# Altium PCB CATS-Vega.PcbDoc (part 1 of 2)
Units mm, origin at the board's own origin, x right, y up, seen from the top; angles counter-clockwise.
Board outline 100 x 33 mm, 6 copper layers (Top Layer, Mid Layer 1 (GND), Mid Layer 2 (Sig), Mid Layer 3 (PWR), Mid Layer 4 (GND), Bottom Layer), stack 1.538 mm thick; 177 components, 115 nets, 630 pads, 374 vias.
Unrouted connection lines stored in the file: 41.
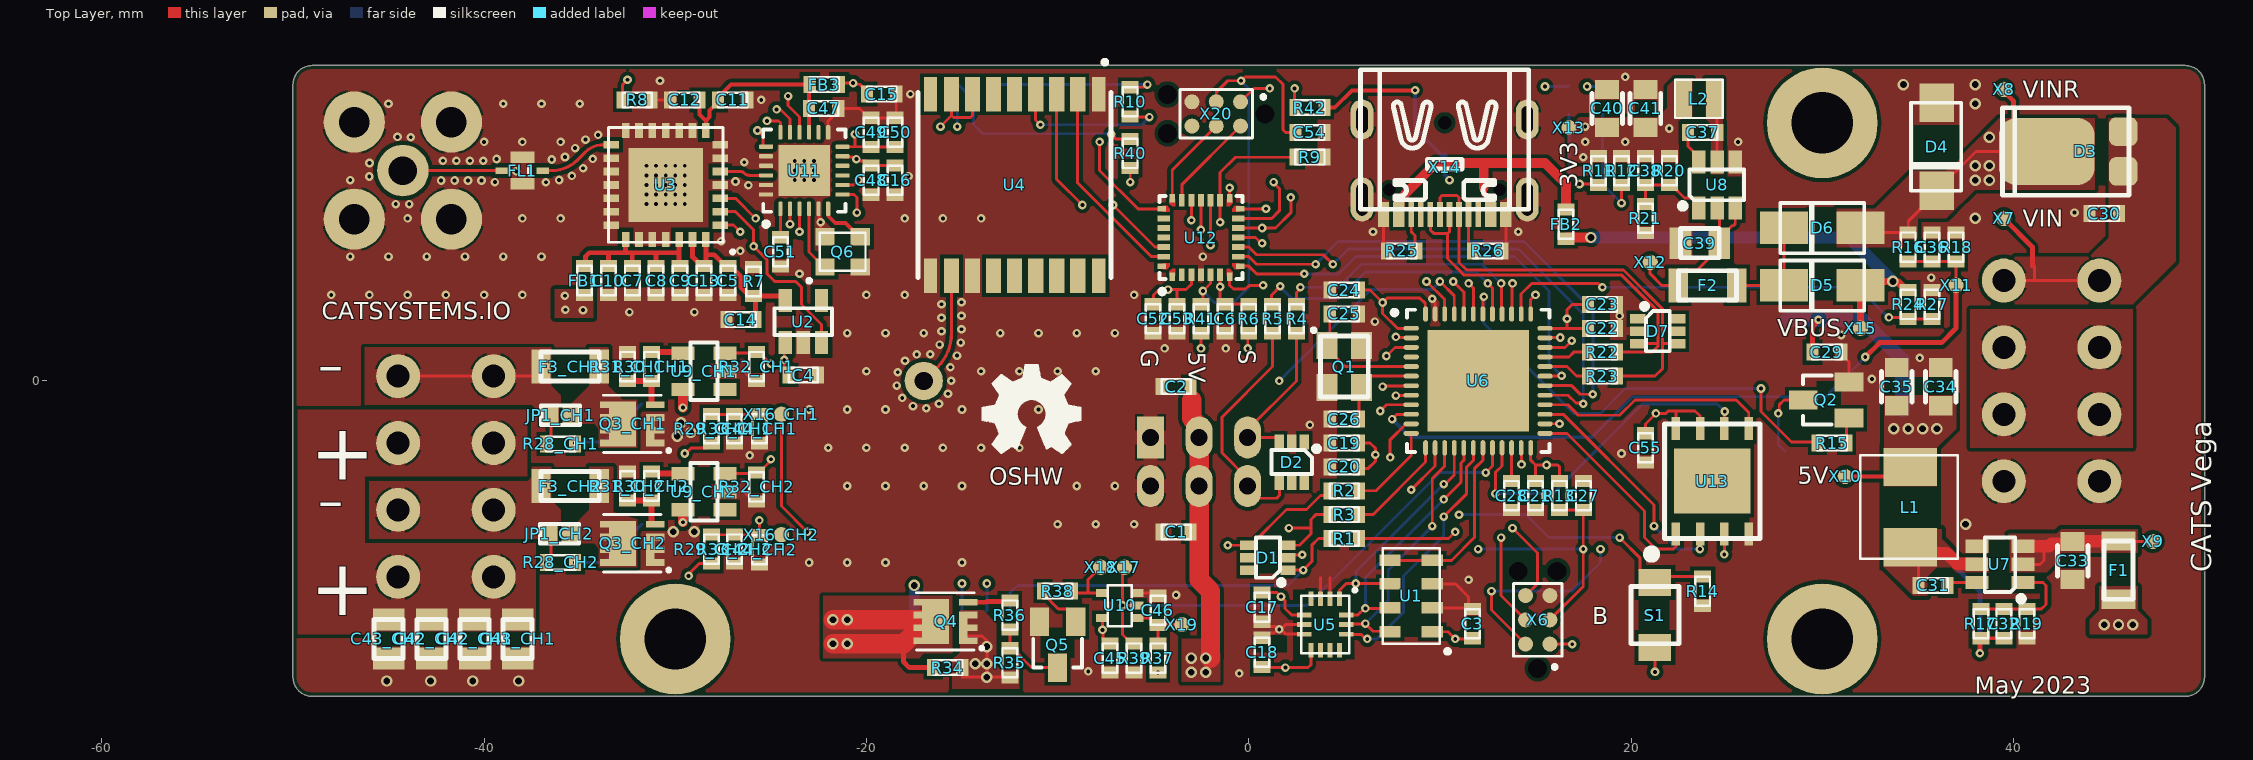
[diagram p0: Top Layer view]
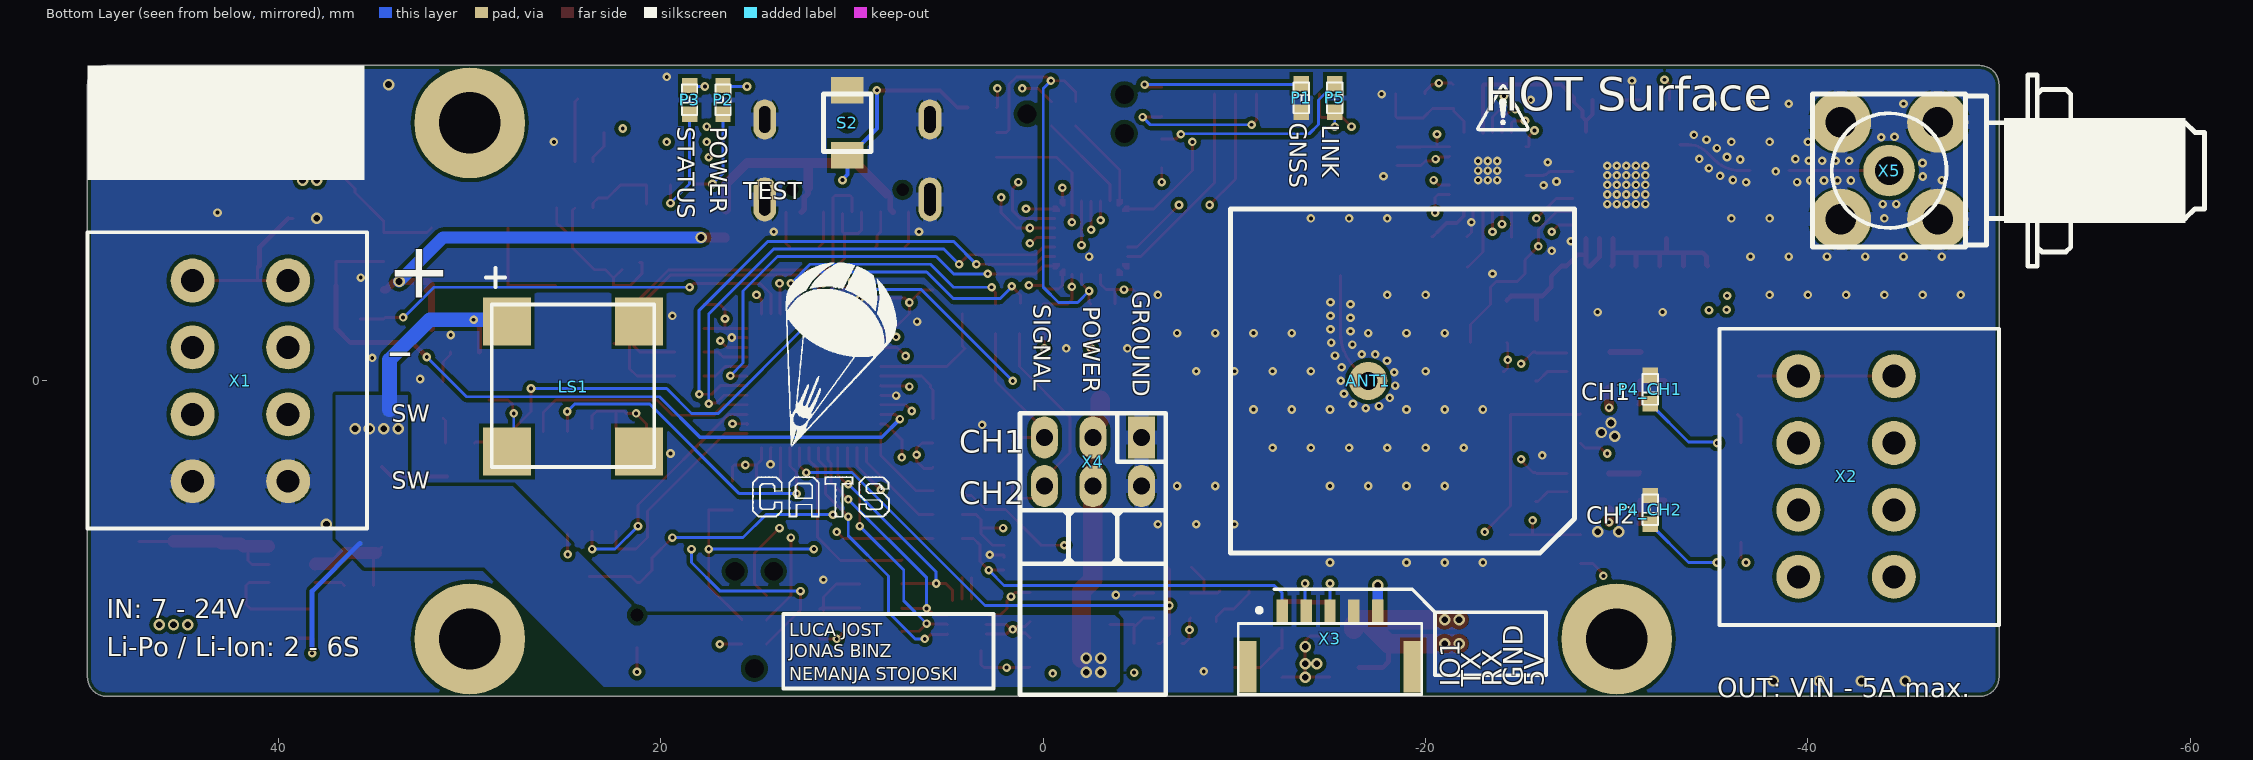
[diagram p1: Bottom Layer view, seen from below]
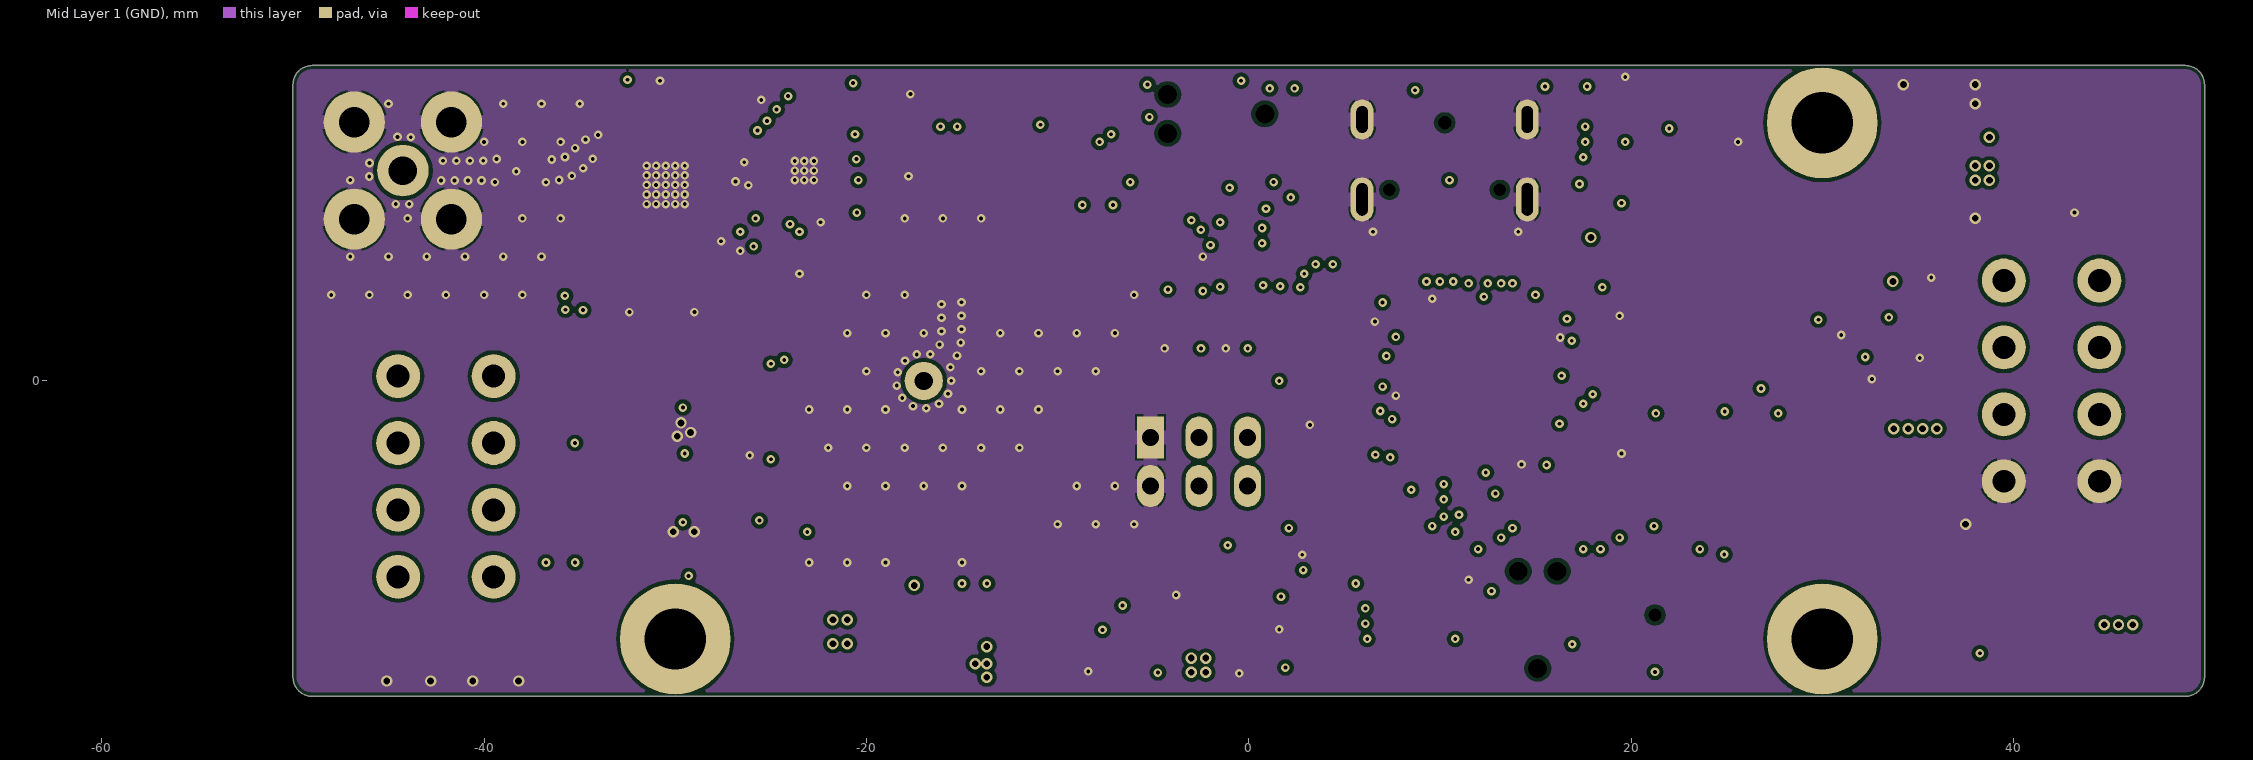
[diagram p2: Mid Layer 1 (GND)]
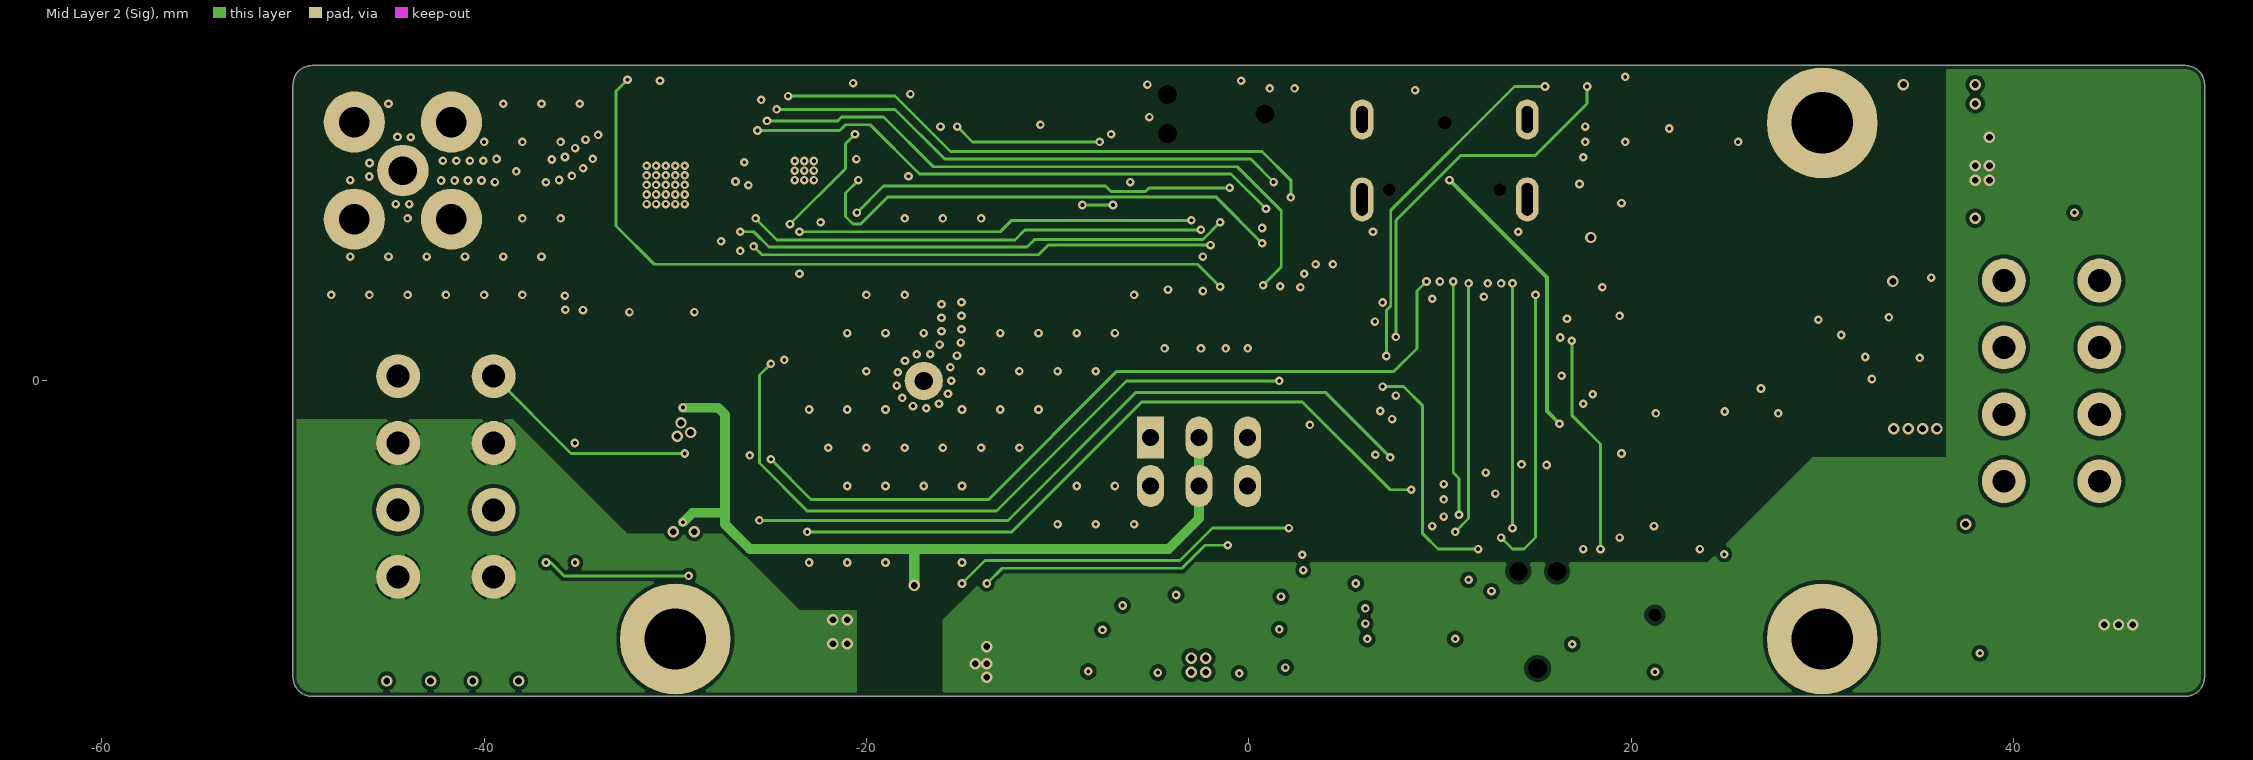
[diagram p3: Mid Layer 2 (Sig)]
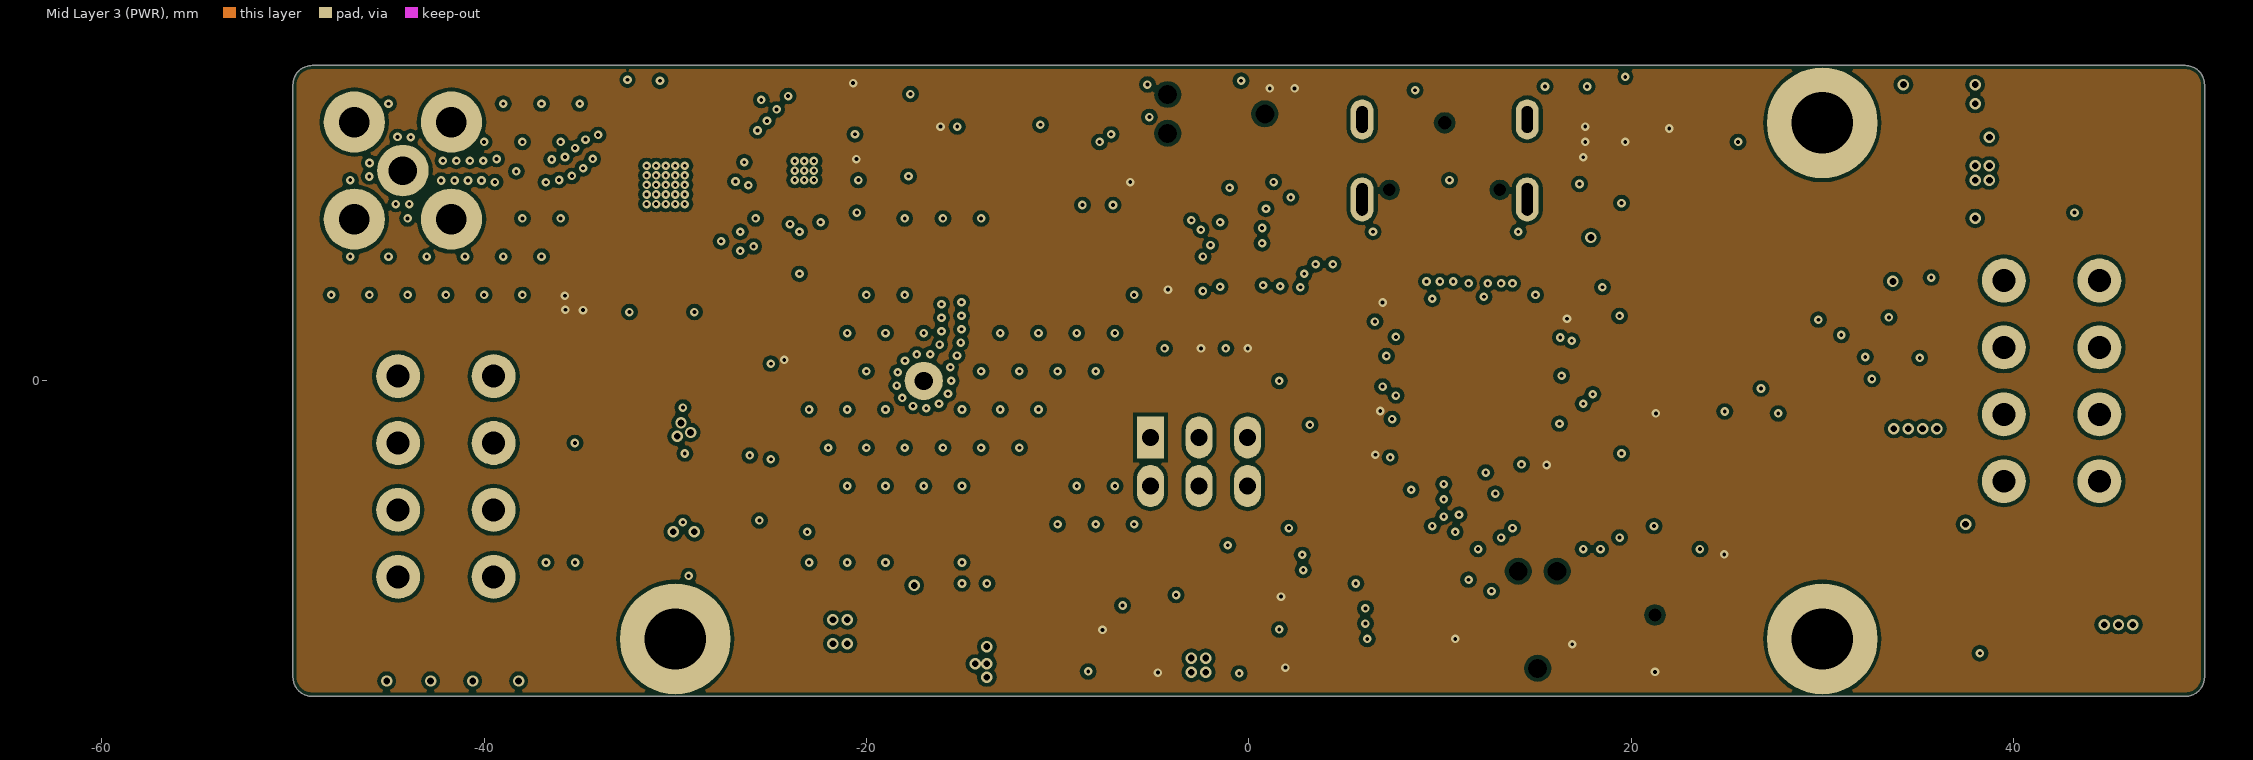
[diagram p4: Mid Layer 3 (PWR)]
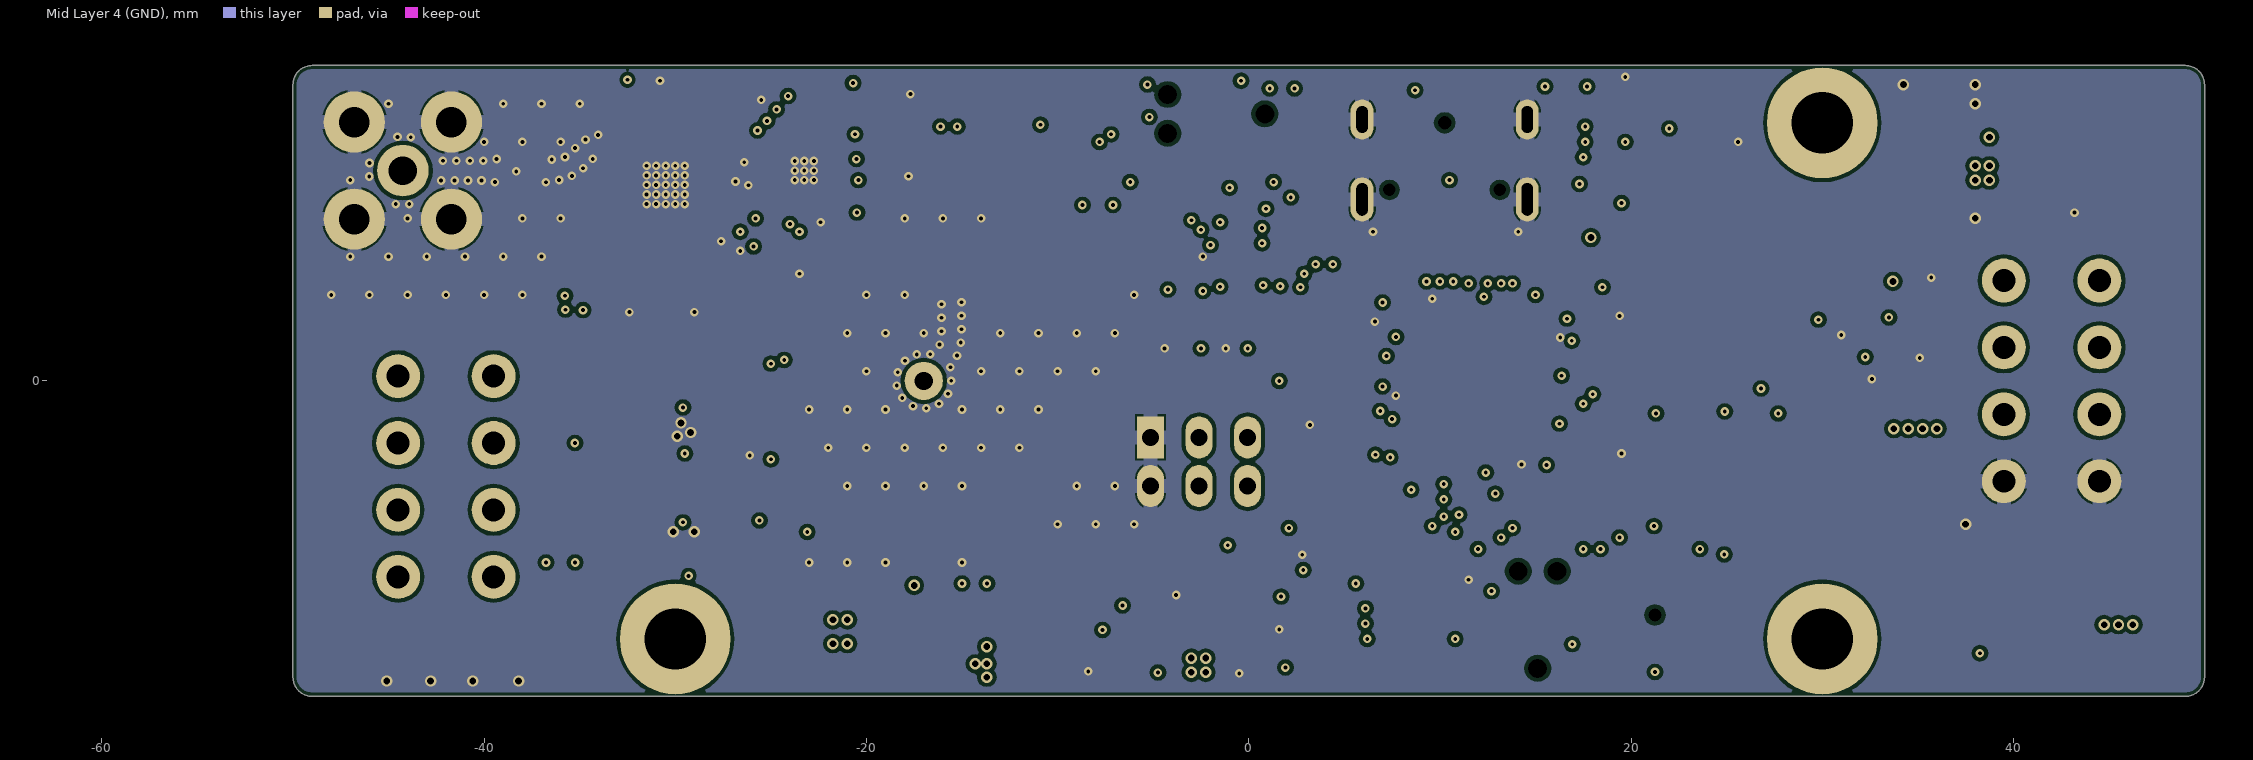
[diagram p5: Mid Layer 4 (GND)]
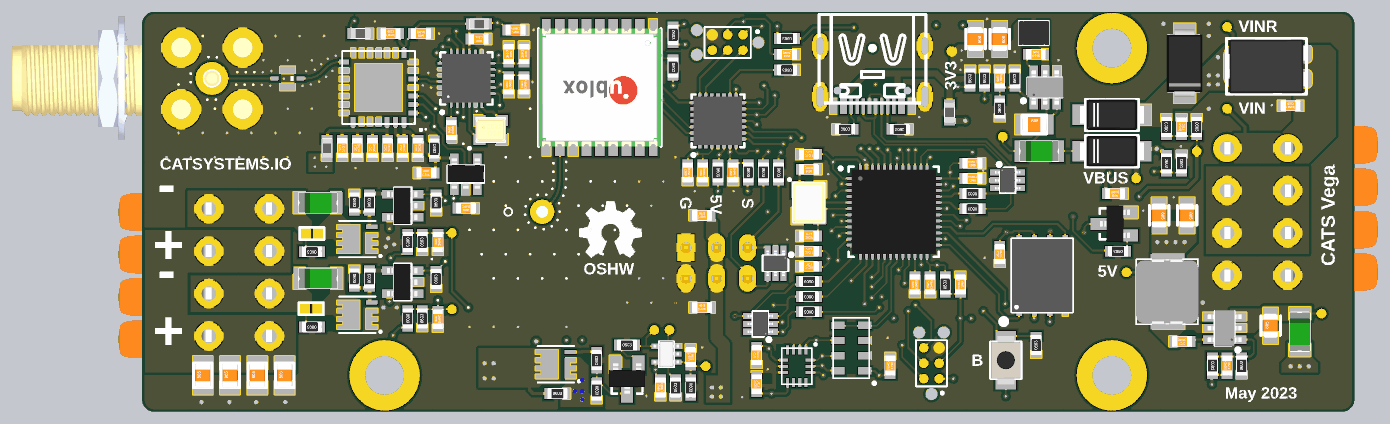
[diagram p7: 3D render of the assembled board from above, using the file's embedded part models]
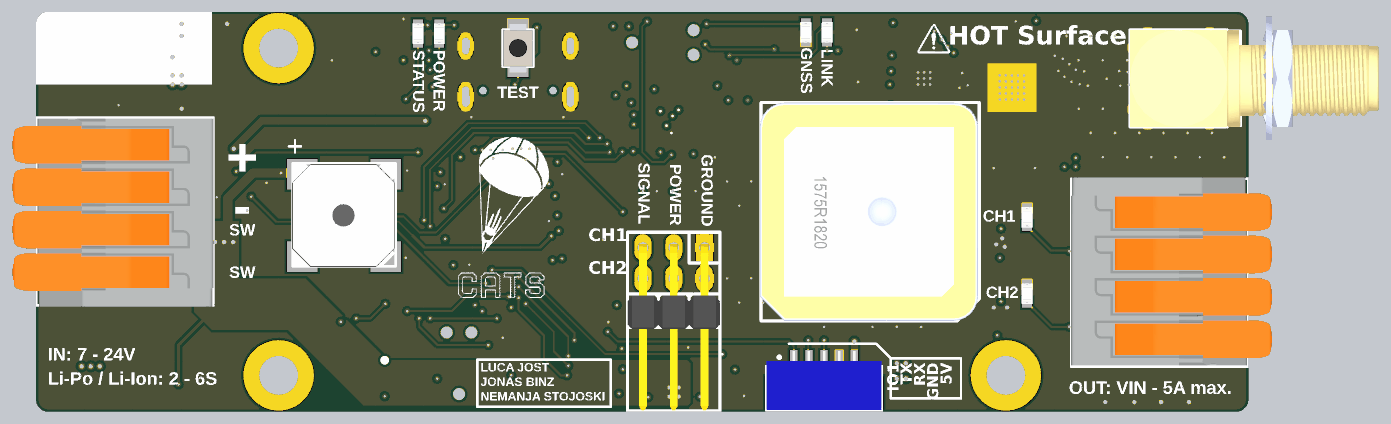
[diagram p8: 3D render of the assembled board from below, using the file's embedded part models]

## Layer stack, top to bottom
Top Solder: solder mask 0.0127, Solder Resist, Dk 3.8
Top Layer: signal copper 0.035
Dielectric 1: prepreg 0.0994, 3313, Dk 4.05
Mid Layer 1 (GND): signal copper 0.0152
Core 1: core 0.55, FR-4, Dk 4.6
Mid Layer 2 (Sig): signal copper 0.0152
Dielectric 2: prepreg 0.1088, 2116, Dk 4.25
Mid Layer 3 (PWR): signal copper 0.0152
Core 2: core 0.55, FR-4, Dk 4.5
Mid Layer 4 (GND): signal copper 0.0152
Dielectric 3: prepreg 0.0994, 3313, Dk 4.05
Bottom Layer: signal copper 0.035
Bottom Solder: solder mask 0.0127, Solder Resist, Dk 3.8

## Board outline
-49,-16.5 cw(c-49,-15.5) -50,-15.5 -50,15.5 cw(c-49,15.5) -49,16.5 49,16.5 cw(c49,15.5) 50,15.5 50,-15.5 cw(c49,-15.5) 49,-16.5

## Design rules (kind name [scope] priority, off if disabled: settings)
BoardOutlineClearance "Bottom Overlay" [OnLayer('Bottom Overlay')] p1: gap=0 ignorepadtopadclearanceinfootprint=FALSE
BoardOutlineClearance "Top Overlay" [OnLayer('Top Overlay')] p2: gap=0 ignorepadtopadclearanceinfootprint=FALSE
BoardOutlineClearance [All] p3: gap=0.2 ignorepadtopadclearanceinfootprint=FALSE except(0: Text-OutlineEdge Text-CavityEdge Text-CutoutEdge Text-SplitBarrior Text-SplitContinuation)
Clearance Polygon [InPolygon] p1: gap=0.2 ignorepadtopadclearanceinfootprint=FALSE
Clearance [All] p2: gap=0.102 ignorepadtopadclearanceinfootprint=FALSE except(0.127: Arc-Via Track-Via SMDPad-Via THPad-Via Via-Via Via-Fill Via-Poly Via-Region Via-Text; 0.25: Arc-Hole Track-Hole SMDPad-Hole THPad-Hole Via-Hole Fill-Hole Poly-Hole Region-Hole Text-Hole)
ComponentClearance [All] p1: gap=0.102 collisioncheckmode=3 verticalgap=0.102 showdistances=TRUE
DiffPairsRouting [All] p1: maxlimit=0.102 minlimit=0.102 mostfreqgap=0.102 toplayer_minwidth=0.102 toplayer_maxwidth=1816.048 toplayer_prefwidth=0.102 midlayer1_minwidth=0.102 midlayer1_maxwidth=1816.048 midlayer1_prefwidth=0.102 midlayer2_minwidth=0.102 midlayer2_maxwidth=1816.048 midlayer2_prefwidth=0.102 midlayer3_minwidth=0.102 midlayer3_maxwidth=1816.048 midlayer3_prefwidth=0.102 midlayer4_minwidth=0.102 midlayer4_maxwidth=1816.048 midlayer4_prefwidth=0.102 bottomlayer_minwidth=0.102 bottomlayer_maxwidth=1816.048 bottomlayer_prefwidth=0.102 maxuncoupledlength=12.7
Height [All] p1: minheight=0 maxheight=1816.048 prefheight=12.7
HoleSize [All] p1: absolutevalues=TRUE maxlimit=6.3 minlimit=0.2 maxpercent=80.000 minpercent=20.000
HoleToHoleClearance [All] p1: gap=0.25 allowstackedmicrovias=FALSE
MaxMinImpedance "Schematic Impedance Constraint_1" [InNetClass('RF-Line 50')] p1: minimum=50,00 maximum=50,00
MinimumAnnularRing [All] p1: minimumring=0.076
MinimumSolderMaskSliver [All] p1: minsoldermaskwidth=0
PlaneClearance [All] p1: clearance=0.102
PlaneConnect PlaneConnectPowerPads [InPadClass('PowerPads')] p1: planeconnectstyle=Relief reliefexpansion=0.508 reliefentries=4 reliefconductorwidth=0.254 reliefairgap=0.254
PlaneConnect [All] p2: pad.planeconnectstyle=Relief pad.reliefexpansion=0.3 pad.reliefentries=4 pad.reliefconductorwidth=0.102 pad.reliefairgap=0.102 via.planeconnectstyle=Direct via.reliefexpansion=0.3 via.reliefentries=4 via.reliefconductorwidth=0.127 via.reliefairgap=0.127
PolygonConnect PolygonConnectPowerPads [All vs (InPadClass('PowerPads'))] p1: connectstyle=Direct reliefconductorwidth=0.254 reliefentries=4 polygonreliefangle="90 Angle" airgapwidth=0.254
PolygonConnect [All] p2: thpad.connectstyle=Relief thpad.reliefconductorwidth=0.762 thpad.reliefentries=4 thpad.polygonreliefangle="90 Angle" thpad.airgapwidth=0.102 smdpad.connectstyle=Direct smdpad.reliefconductorwidth=0.102 smdpad.reliefentries=4 smdpad.polygonreliefangle="90 Angle" smdpad.airgapwidth=0.102 via.connectstyle=Direct via.reliefconductorwidth=0.102 via.reliefentries=4 via.polygonreliefangle="90 Angle" via.airgapwidth=0.102
RoutingVias [All] p1: holewidth=0.2 width=0.45 viastyle="Through Hole" minholewidth=0.2 minwidth=0.45 maxholewidth=6.3 maxwidth=6.55
SilkToSilkClearance [All] p1: silktosilkclearance=0
SilkToSolderMaskClearance [IsPad] p1: minsilkscreentomaskgap=0 clearancetoexposedcopper=TRUE
SolderMaskExpansion [All] p1: expansion=0.075 istentingtop=FALSE
Width [All] p1: maxlimit=1816.048 minlimit=0.102 preferedwidth=0.102
20 further rules are at their usual default settings.

## Classes and differential pairs
component class U_CATS-EUROC-Telemetry: FB3
channel class CATS-Vega-Pyro: CH1 CH2
net class V_PYRO[1..2]: V_PYRO1 V_PYRO2
net class "RF-Line 50": NetANT1_1 NetFL1_1 NetFL1_3 NetU3_5
net class PYRO[1..2]: PYRO1 PYRO2
net class PL[1..2]: PL1 PL2
net class PH[1..2]: PH1
component class U_Radio: C47 C48 C49 C50 C51 Q6 U11
component class U_MCU: C52 C53 C54 P5 R40 R41 U12 X20
component class U_GNSS: ANT1 C15 C16 P1 R10 U4
component class U_Frontend: C4 C5 C6 C7 C8 C9 C10 C11 C12 C13 C14 FB1 FL1 R6 R7 R8 R9 U2 U3
component class U_CATS-EUROC-USB: D7 FB2 R22 R23 R24 R25 R26 R27 X14 X15
component class U_CATS-EUROC-Storage: C55 U13
component class U_CATS-EUROC-Pyro_Enable: C45 C46 Q4 Q5 R34 R35 R36 R37 R38 R39 U10 X17 X18 X19
component class U_CATS-EUROC-PM: C30 C31 C32 C33 C34 C35 C36 C37 C38 C39 C40 C41 D3 D4 D5 D6 F1 F2 L1 L2 R16 R17 R18 R19 R20 R21 U7 U8 X7 X8 X9 X10 X11 X12 X13
component class U_CATS-EUROC-MCU: C19 C20 C21 C22 C23 C24 C25 C26 C27 C28 C29 LS1 P2 P3 Q1 Q2 R11 R12 R13 R14 R15 R42 S1 S2 U6 X6
component class U_CATS-EUROC-IMU: C17 C18 U5
component class U_CATS-EUROC-Baro: C3 U1
component class CH2: C42_CH2 C43_CH2 C44_CH2 F3_CH2 JP1_CH2 P4_CH2 Q3_CH2 R28_CH2 R29_CH2 R30_CH2 R31_CH2 R32_CH2 R33_CH2 U9_CH2 X16_CH2
component class CH1: C42_CH1 C43_CH1 C44_CH1 F3_CH1 JP1_CH1 P4_CH1 Q3_CH1 R28_CH1 R29_CH1 R30_CH1 R31_CH1 R32_CH1 R33_CH1 U9_CH1 X16_CH1
component class CATS-Vega-Overview: C1 C2 D1 D2 R1 R2 R3 R4 R5 X1 X2 X3 X4 X5
differential pair USB: +USB_P -USB_N

## Components (designator, comment, footprint, x,y, rotation, side; value= is the part's Value field where it differs from the comment)
ANT1 "ANT-GNSS" "THT ANTENNA GNSS 18X18" -15.9,0 r270 bottom
C1 "10nF" "SMD Keramikkondensator 0603" -3.8,-7.9 r0 top
C2 "10nF" "SMD Keramikkondensator 0603" -3.8,-0.3 r0 top
C3 "100nF" "SMD Keramikkondensator 0603" 11.7,-12.7 r270 top
C4 "100nF" "SMD Keramikkondensator 0603" -23.3,0.3 r180 top
C5 "100nF" "SMD Keramikkondensator 0603" -27.25,5.25 r90 top
C6 "100nF" "SMD Keramikkondensator 0603" -1.25,3.25 r90 top
C7 "4.7uF" "SMD Keramikkondensator 0603" -32.25,5.25 r90 top
C8 "4.7uF" "SMD Keramikkondensator 0603" -31,5.25 r90 top
C9 "10pF" "SMD Keramikkondensator 0603" -29.75,5.25 r90 top
C10 "10pF" "SMD Keramikkondensator 0603" -33.5,5.25 r90 top
C11 "100nF" "SMD Keramikkondensator 0603" -27,14.7 r180 top
C12 "10pF" "SMD Keramikkondensator 0603" -29.5,14.7 r0 top
C13 "100nF" "SMD Keramikkondensator 0603" -28.5,5.25 r90 top
C14 "100nF" "SMD Keramikkondensator 0603" -26.562,3.2 r0 top
C15 "4.7uF" "SMD Keramikkondensator 0603" -19.2,15 r180 top
C16 "100nF" "SMD Keramikkondensator 0603" -18.5,10.5 r90 top
C17 "100nF" "SMD Keramikkondensator 0603" 0.7,-11.838 r90 top
C18 "100nF" "SMD Keramikkondensator 0603" 0.7,-14.2 r270 top
C19 "1uF" "SMD Keramikkondensator 0603" 5,-3.25 r0 top
C20 "100nF" "SMD Keramikkondensator 0603" 5,-4.5 r0 top
C21 "4.7uF" "SMD Keramikkondensator 0603" 15,-6 r90 top
C22 "100nF" "SMD Keramikkondensator 0603" 18.5,2.75 r180 top
C23 "100nF" "SMD Keramikkondensator 0603" 18.5,4 r180 top
C24 "100nF" "SMD Keramikkondensator 0603" 5,4.75 r0 top
C25 "10pF" "SMD Keramikkondensator 0603" 5,3.5 r180 top
C26 "10pF" "SMD Keramikkondensator 0603" 5,-2 r0 top
C27 "100nF" "SMD Keramikkondensator 0603" 17.5,-6 r270 top
C28 "4.7uF" "SMD Keramikkondensator 0603" 13.75,-6 r90 top
C29 "4.7uF" "SMD Keramikkondensator 0603" 30.25,1.5 r180 top
C30 "10nF" "SMD Keramikkondensator 0603" 44.75,8.75 r0 top
C31 "100nF" "SMD Keramikkondensator 0603" 35.8,-10.7 r180 top
C32 "47pF" "SMD Keramikkondensator 0603" 39.5,-12.7 r270 top
C33 "22uF" "SMD Keramikkondensator 0805"#1 43.1,-9.4 r90 top
C34 "22uF" "SMD Keramikkondensator 0805"#1 36.2,-0.3 r270 top
C35 "22uF" "SMD Keramikkondensator 0805"#1 33.9,-0.3 r270 top
C36 "1uF" "SMD Keramikkondensator 0603" 35.75,7 r270 top
C37 "100nF" "SMD Keramikkondensator 0603" 23.75,13 r0 top
C38 "47pF" "SMD Keramikkondensator 0603" 20.75,11 r90 top
C39 "22uF" "SMD Keramikkondensator 0805"#2 23.6,7.2 r0 top
C40 "22uF" "SMD Keramikkondensator 0805"#1 18.75,14.25 r270 top
C41 "22uF" "SMD Keramikkondensator 0805"#1 20.75,14.25 r270 top
C42_CH1 "22uF" "SMD Keramikkondensator 0805"#2 -40.5,-13.5 r90 top (schematic designator C42)
C42_CH2 "22uF" "SMD Keramikkondensator 0805"#2 -42.75,-13.5 r90 top (schematic designator C42)
C43_CH1 "22uF" "SMD Keramikkondensator 0805"#2 -38.25,-13.5 r90 top (schematic designator C43)
C43_CH2 "22uF" "SMD Keramikkondensator 0805"#2 -45,-13.5 r90 top (schematic designator C43)
C44_CH1 "1uF" "SMD Keramikkondensator 0603" -25.6,-2.5 r90 top (schematic designator C44)
C44_CH2 "1uF" "SMD Keramikkondensator 0603" -25.6,-8.838 r90 top (schematic designator C44)
C45 "100nF" "SMD Keramikkondensator 0603" -7.25,-14.5 r90 top
C46 "4.7uF" "SMD Keramikkondensator 0603" -4.75,-12 r270 top
C47 "100nF" "SMD Keramikkondensator 0603" -22.238,14.25 r180 top
C48 "100nF" "SMD Keramikkondensator 0603" -19.75,10.5 r90 top
C49 "10nF" "SMD Keramikkondensator 0603" -19.75,13 r270 top
C50 "1uF" "SMD Keramikkondensator 0603" -18.5,13 r270 top
C51 "10nF" "SMD Keramikkondensator 0603" -24.5,6.75 r90 top
C52 "4.7uF" "SMD Keramikkondensator 0603" -5,3.25 r90 top
C53 "100nF" "SMD Keramikkondensator 0603" -3.75,3.25 r90 top
C54 "100nF" "SMD Keramikkondensator 0603" 3.2,13 r180 top
C55 "100nF" "SMD Keramikkondensator 0603" 20.75,-3.5 r90 top
D1 "PD4E1U06" "SMD IC SOT-363 (SC-70-6)" 1,-9.25 r0 top
D2 "PD4E1U06" "SMD IC SOT-363 (SC-70-6)" 2.25,-4.25 r90 top
D3 "SL1045" "SMD DIODE TO-277" 42.75,12 r0 top
D4 "SMAJ28CA/TR13" "SMD Diode DO-214-AC (SMA)" 36,12.25 r270 top
D5 "SL34F" "SMD DIODE SMAF" 30,5 r0 top
D6 "SL34F" "SMD DIODE SMAF" 30,8 r0 top
D7 "PD4E1U06" "SMD IC SOT-363 (SC-70-6)" 21.4,2.6 r180 top
F1 "1.5A/200ms" "SMD PPTC-Fuse 1206" 45.5,-9.9 r270 top
F2 "1.5A/200ms" "SMD PPTC-Fuse 1206" 24,5 r0 top
F3_CH1 "1.5A/200ms" "SMD PPTC-Fuse 1206" -35.5,0.75 r0 top (schematic designator F3)
F3_CH2 "1.5A/200ms" "SMD PPTC-Fuse 1206" -35.5,-5.5 r0 top (schematic designator F3)
FB1 "BLM18KG102SN1D" "SMD Ferrite Bead 0603" -34.75,5.25 r270 top
FB2 "BLM18KG102SN1D" "SMD Ferrite Bead 0603" 16.6,8.2 r90 top
FB3 "BLM18KG102SN1D" "SMD Ferrite Bead 0603" -22.2,15.5 r0 top
FL1 "DEA202450BT-1213C1" "SMD FILTER DEA202450BT" -38,11 r180 top
JP1_CH1 "Jumper" "SMD SOLDER JUMPER 1X2MM" -36,-1.8 r0 top (schematic designator JP1)
JP1_CH2 "Jumper" "SMD SOLDER JUMPER 1X2MM" -36.059,-8 r0 top (schematic designator JP1)
L1 "4.7µH" "SMD Inductor 5.5x5.2x3" 34.6,-6.6 r90 top
L2 "3.3µH" "SMD Inductor 2x2.5x1.2" 23.55,14.75 r180 top
LS1 "Buzzer" "SMD BUZZER CMT-8504" 24.6,-0.3 r180 bottom
P1 "LED" "SMD LED 0603" -13.5,14.75 r90 bottom
P2 "LED" "SMD LED 0603" 16.75,14.75 r270 bottom
P3 "LED" "SMD LED 0603" 18.5,14.75 r270 bottom
P4_CH1 "LED" "SMD LED 0603" -31.75,-0.4 r270 bottom (schematic designator P4)
P4_CH2 "LED" "SMD LED 0603" -31.75,-6.7 r270 bottom (schematic designator P4)
P5 "LED" "SMD LED 0603" -15.25,14.75 r90 bottom
Q1 "8MHz" "SMD Crystal 3.2X2.5X0.8" 5,0.75 r270 top
Q2 "PMBT3904" "SMD Transistor SOT-23" 30.25,-1 r0 top
Q3_CH1 "AON7544" "SMD MOSFET DFN 3X3 EP" -32.25,-2.25 r90 top (schematic designator Q3)
Q3_CH2 "AON7544" "SMD MOSFET DFN 3X3 EP" -32.25,-8.5 r90 top (schematic designator Q3)
Q4 "G16P03" "SMD MOSFET DFN 3X3 EP" -15.875,-12.585 r90 top
Q5 "PMBT3904" "SMD TRANSISTOR SOT-23" -10,-13.75 r90 top
Q6 "52MHz" "SMD Crystal 2520" -21.25,6.75 r0 top